# Altium PCB RTD_12POS_WPSv3.PcbDoc (part 1 of 4)
Units mm, origin at the board's own origin, x right, y up, seen from the top; angles counter-clockwise.
Board outline 122.3 x 122.04 mm, 2 copper layers (Top Layer, Bottom Layer); 327 components, 290 nets, 1265 pads, 672 vias.
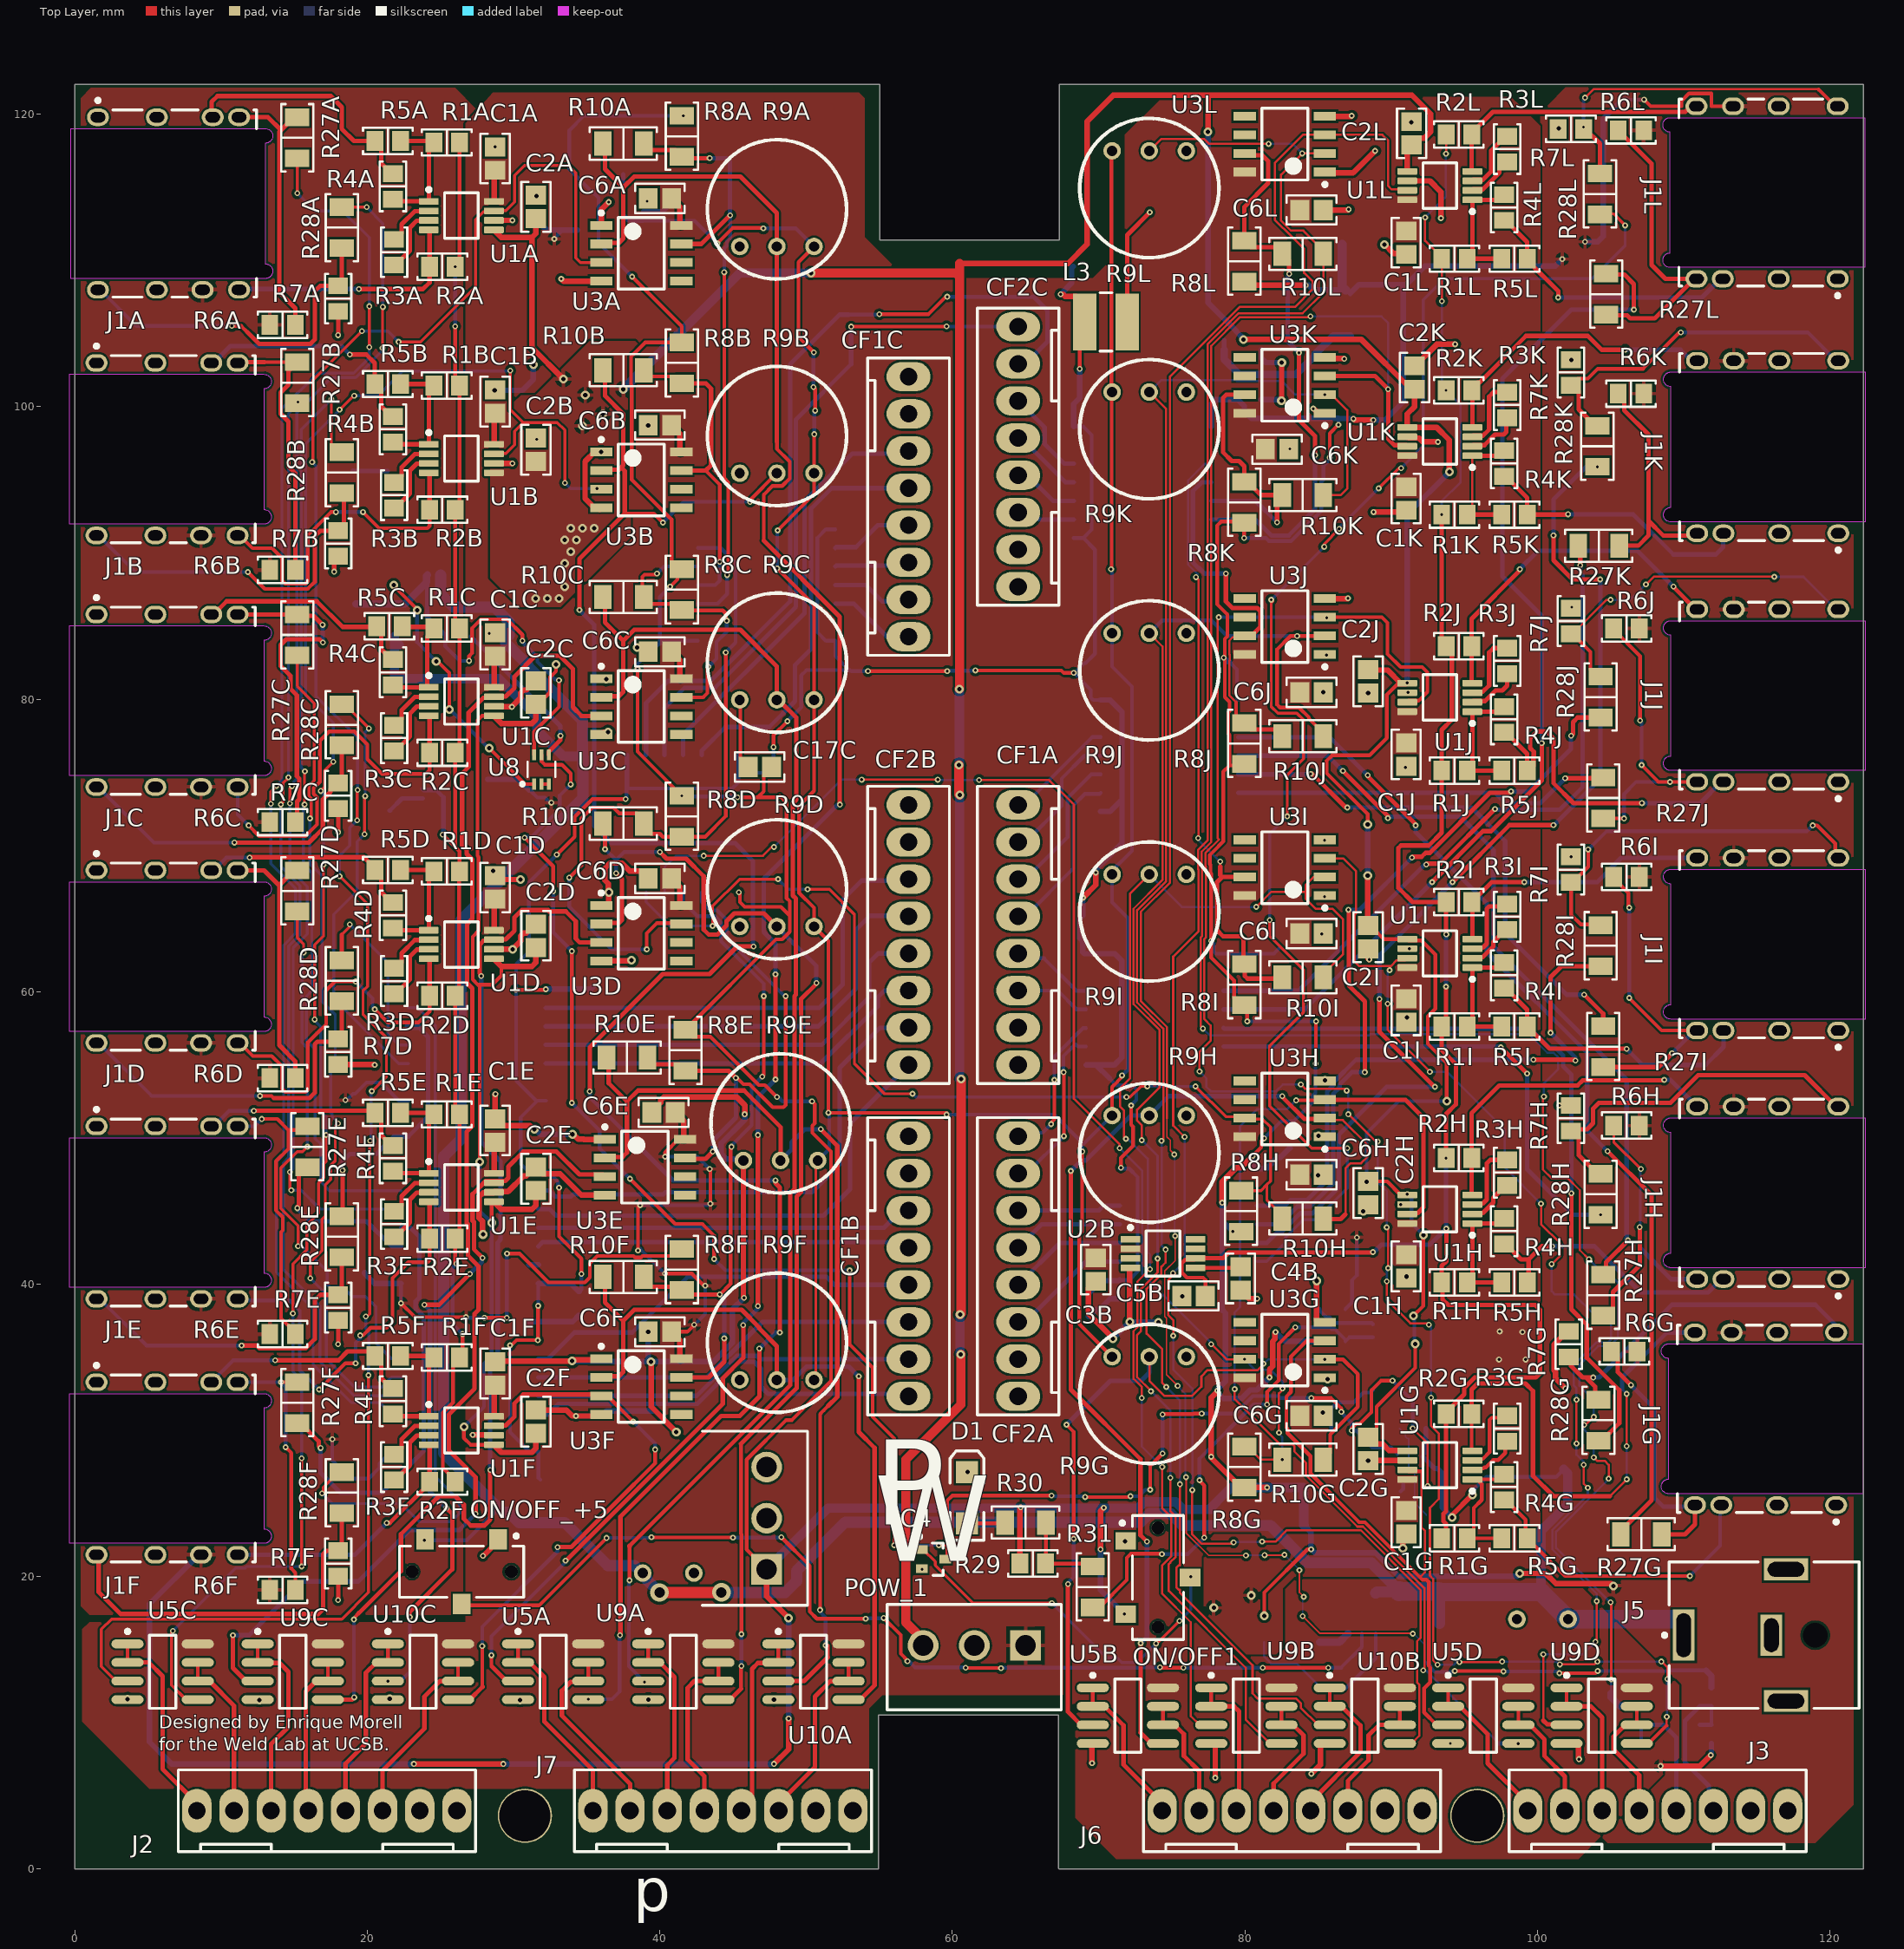
[diagram p0: Top Layer view]
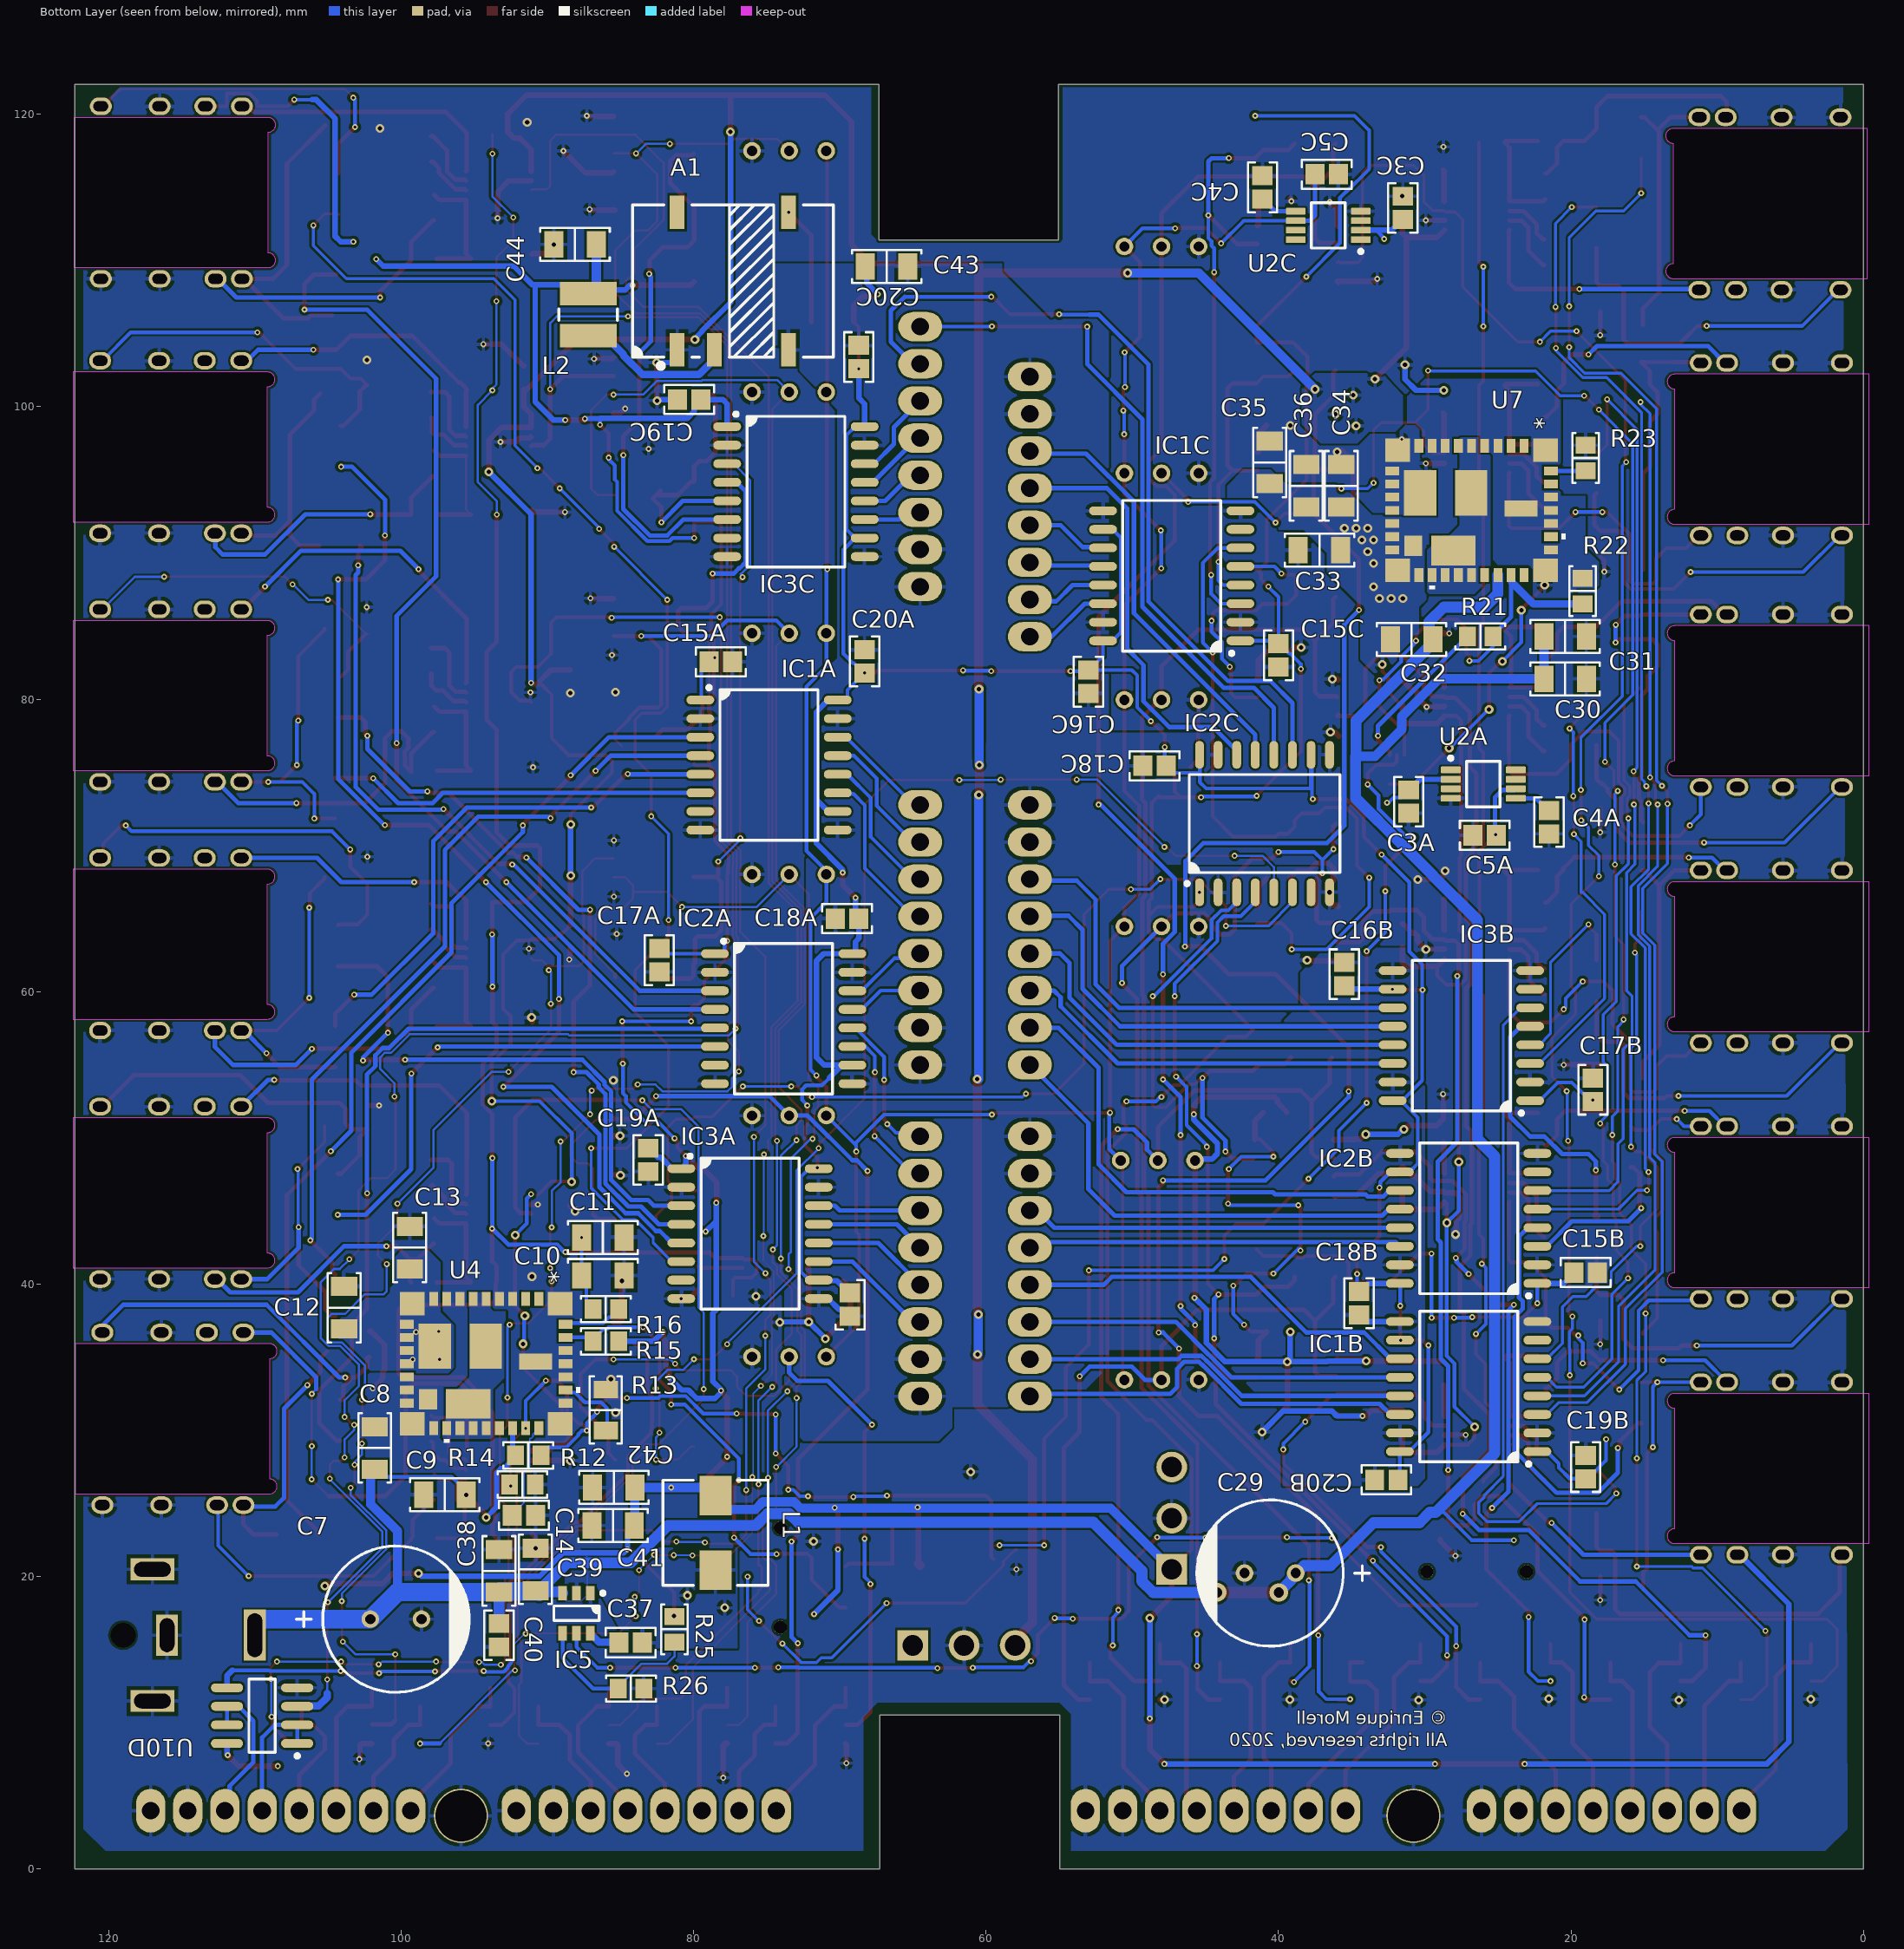
[diagram p1: Bottom Layer view, seen from below]
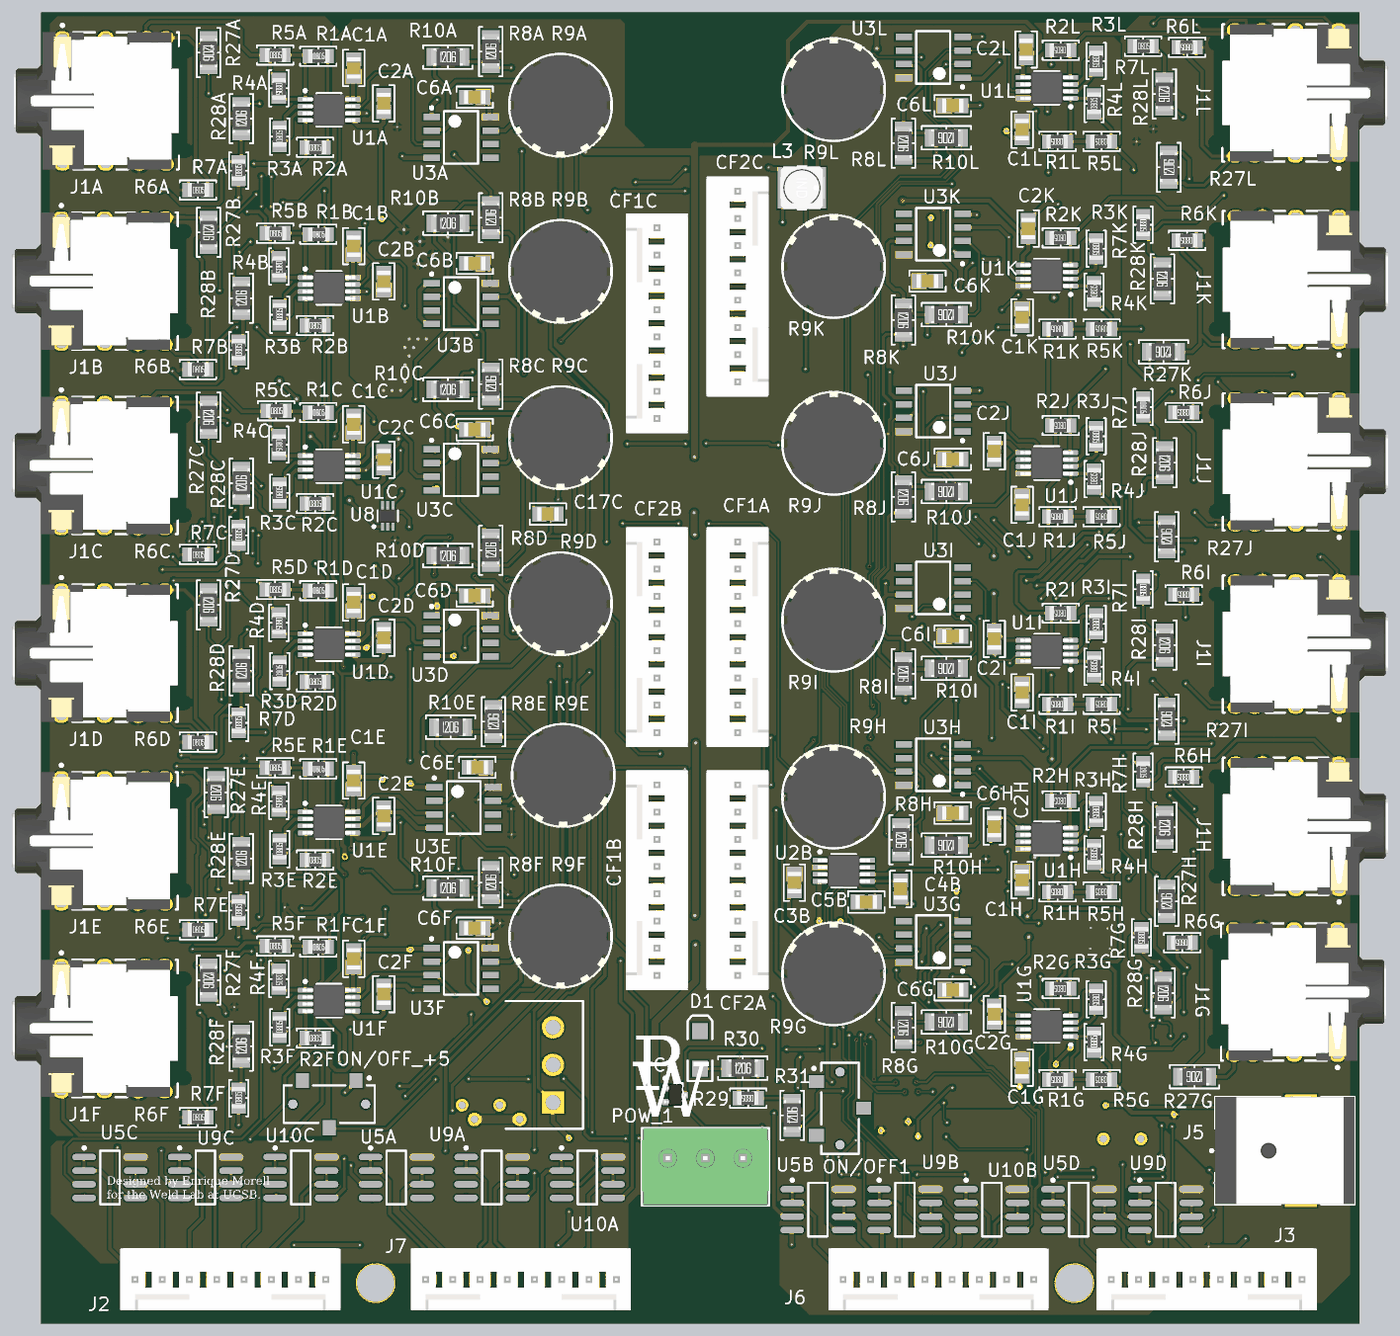
[diagram p5: 3D render of the assembled board from above, using the file's embedded part models]
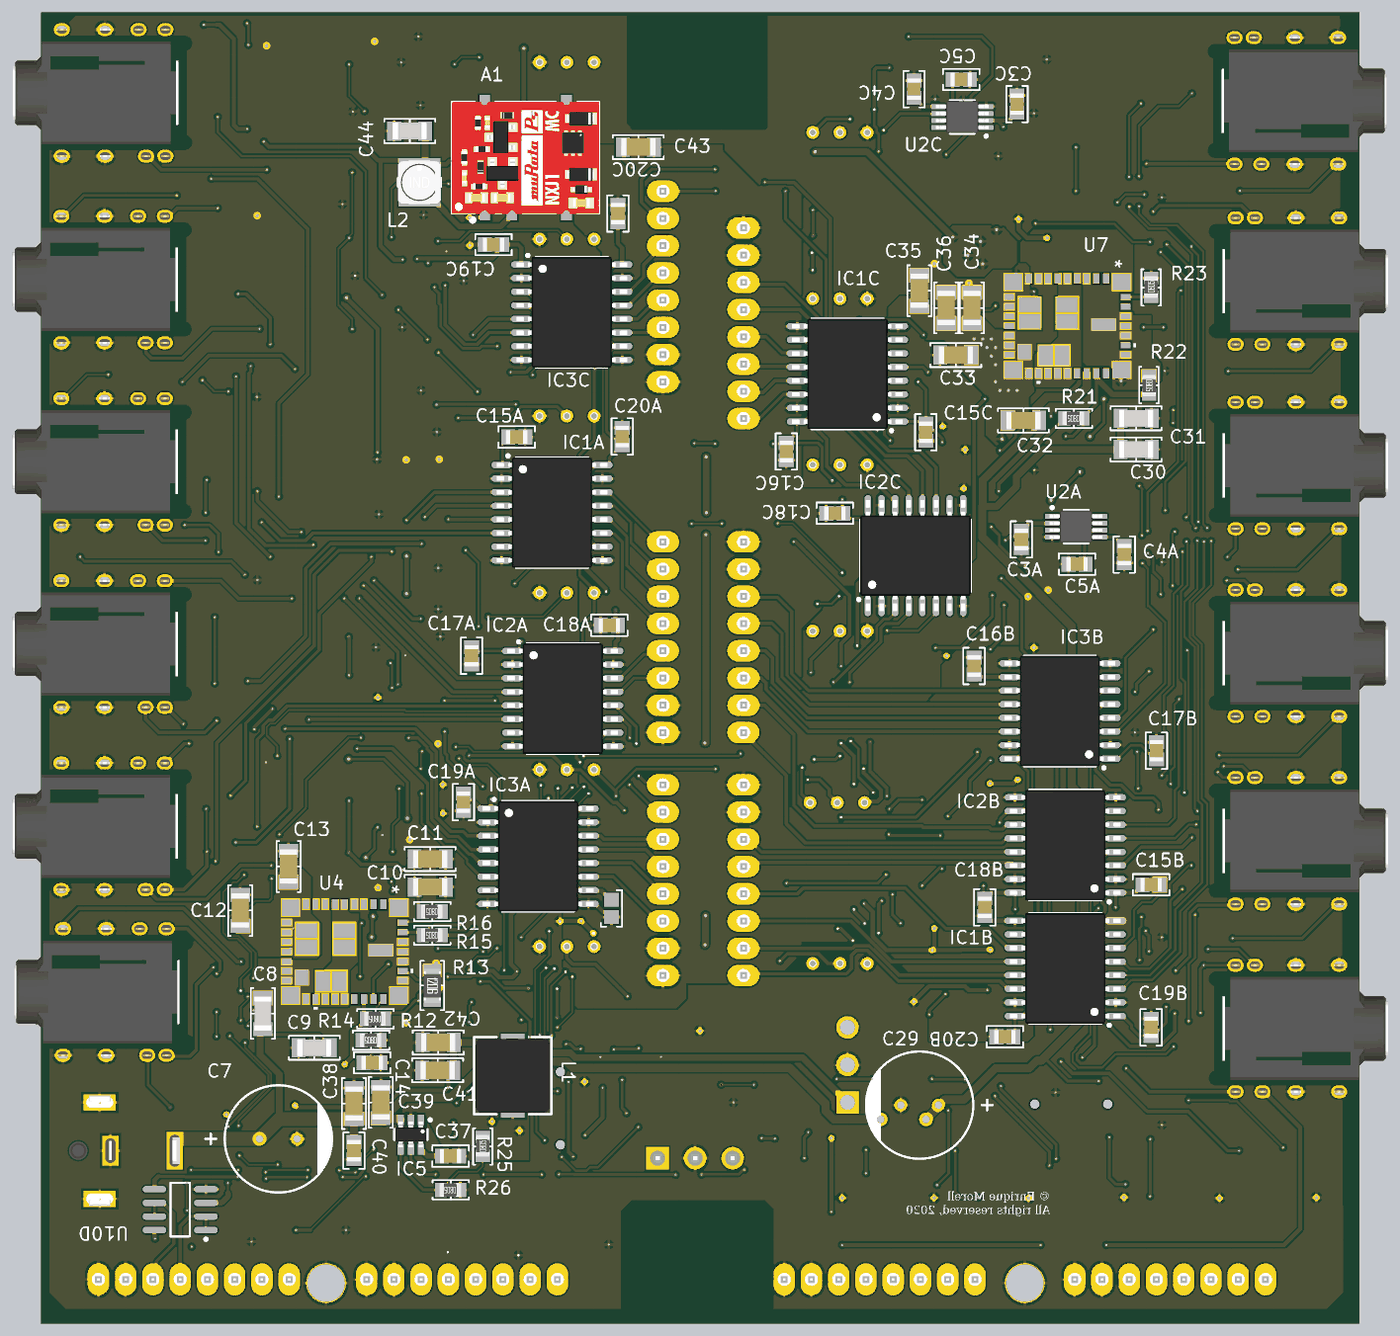
[diagram p6: 3D render of the assembled board from below, using the file's embedded part models]

## Layer stack, top to bottom
Top Solder: solder mask 0.0102, Solder Resist, Dk 3.5
Top Layer: signal copper 0.0356
Dielectric 1: dielectric 0.32, FR-4, Dk 4.8
Bottom Layer: signal copper 0.0356
Bottom Solder: solder mask 0.0102, Solder Resist, Dk 3.5

## Board outline
0,0 0,122.04 55.04,122.04 55.04,111.4 67.32,111.4 67.32,122.04 122.3,122.04 122.3,0 67.3,0 67.25,0.05 67.25,10.55 54.95,10.55 54.95,0

## Design rules (kind name [scope] priority, off if disabled: settings)
AssemblyTestPointUsage [All] p1: valid=2
AssemblyTestpoint [All] p1: testpointundercomponent=TRUE minsize=1.016 maxsize=2.54 preferedsize=1.524 minholesize=0 maxholesize=1.016 preferedholesize=0.813 testpointgrid=0.025 usegrid=FALSE gridtolerance=0 allowsidetop=TRUE allowsidebottom=TRUE
BoardOutlineClearance [All] p1: gap=0.2 ignorepadtopadclearanceinfootprint=FALSE
Clearance [All] p1: gap=0.15 ignorepadtopadclearanceinfootprint=FALSE except(0.1: Arc-Arc Arc-Track Track-Track; 0.2: Via-Via Via-Fill Via-Poly Via-Region Via-Hole)
FabricationTestPointUsage [All] p1: valid=2 allowmultiple=FALSE
FabricationTestpoint [All] p1: side=3 testpointundercomponent=TRUE minsize=1.016 maxsize=2.54 preferedsize=1.524 minholesize=0 maxholesize=1.016 preferedholesize=0.813 testpointgrid=0.025 allowsidetop=TRUE allowsidebottom=TRUE usegrid=FALSE gridtolerance=0
HoleSize [All] p1: absolutevalues=TRUE maxlimit=3.5 minlimit=0.2 maxpercent=80.000 minpercent=20.000
MinimumAnnularRing [All] p1: minimumring=0.1
MinimumSolderMaskSliver [All] p1: minsoldermaskwidth=0.1
PlaneConnect PlaneConnect_1 [All] p1: planeconnectstyle=Relief reliefexpansion=0.508 reliefentries=4 reliefconductorwidth=0.254 reliefairgap=0.254
PolygonConnect PolygonConnect_1 [All vs InNet('-12A')] p1: thpad.connectstyle=Relief thpad.reliefconductorwidth=0.254 thpad.reliefentries=4 thpad.polygonreliefangle="90 Angle" thpad.airgapwidth=0.254 smdpad.connectstyle=Direct smdpad.reliefconductorwidth=0.254 smdpad.reliefentries=4 smdpad.polygonreliefangle="90 Angle" smdpad.airgapwidth=0.254 via.connectstyle=Relief via.reliefconductorwidth=0.254 via.reliefentries=4 via.polygonreliefangle="90 Angle" via.airgapwidth=0.254
PolygonConnect PolygonConnect_5 [All vs InNet('NetU7_6')] p2: thpad.connectstyle=Relief thpad.reliefconductorwidth=0.254 thpad.reliefentries=4 thpad.polygonreliefangle="90 Angle" thpad.airgapwidth=0.254 smdpad.connectstyle=Direct smdpad.reliefconductorwidth=0.254 smdpad.reliefentries=4 smdpad.polygonreliefangle="90 Angle" smdpad.airgapwidth=0.254 via.connectstyle=Relief via.reliefconductorwidth=0.254 via.reliefentries=4 via.polygonreliefangle="90 Angle" via.airgapwidth=0.254
PolygonConnect PolygonConnect_6 [All vs InNet('+12')] p3: thpad.connectstyle=Relief thpad.reliefconductorwidth=0.254 thpad.reliefentries=4 thpad.polygonreliefangle="90 Angle" thpad.airgapwidth=0.254 smdpad.connectstyle=Direct smdpad.reliefconductorwidth=0.254 smdpad.reliefentries=4 smdpad.polygonreliefangle="90 Angle" smdpad.airgapwidth=0.254 via.connectstyle=Relief via.reliefconductorwidth=0.254 via.reliefentries=4 via.polygonreliefangle="90 Angle" via.airgapwidth=0.254
PolygonConnect PolygonConnect_8 [All vs InNet('-5')] p4: thpad.connectstyle=Relief thpad.reliefconductorwidth=0.254 thpad.reliefentries=4 thpad.polygonreliefangle="90 Angle" thpad.airgapwidth=0.254 smdpad.connectstyle=Direct smdpad.reliefconductorwidth=0.254 smdpad.reliefentries=4 smdpad.polygonreliefangle="90 Angle" smdpad.airgapwidth=0.254 via.connectstyle=Relief via.reliefconductorwidth=0.254 via.reliefentries=4 via.polygonreliefangle="90 Angle" via.airgapwidth=0.254
PolygonConnect PolygonConnect_4 [All vs InNet('-12A')] p5: thpad.connectstyle=Relief thpad.reliefconductorwidth=0.254 thpad.reliefentries=4 thpad.polygonreliefangle="90 Angle" thpad.airgapwidth=0.254 smdpad.connectstyle=Direct smdpad.reliefconductorwidth=0.254 smdpad.reliefentries=4 smdpad.polygonreliefangle="90 Angle" smdpad.airgapwidth=0.254 via.connectstyle=Relief via.reliefconductorwidth=0.254 via.reliefentries=4 via.polygonreliefangle="90 Angle" via.airgapwidth=0.254
PolygonConnect PolygonConnect_2 [All vs InNet('AGND')] p6: thpad.connectstyle=Relief thpad.reliefconductorwidth=0.254 thpad.reliefentries=4 thpad.polygonreliefangle="90 Angle" thpad.airgapwidth=0.254 smdpad.connectstyle=Direct smdpad.reliefconductorwidth=0.254 smdpad.reliefentries=4 smdpad.polygonreliefangle="90 Angle" smdpad.airgapwidth=0.254 via.connectstyle=Relief via.reliefconductorwidth=0.254 via.reliefentries=4 via.polygonreliefangle="90 Angle" via.airgapwidth=0.254
PolygonConnect PolygonConnect_3 [All vs InNet('-12')] p7: thpad.connectstyle=Relief thpad.reliefconductorwidth=0.254 thpad.reliefentries=4 thpad.polygonreliefangle="90 Angle" thpad.airgapwidth=0.254 smdpad.connectstyle=Direct smdpad.reliefconductorwidth=0.254 smdpad.reliefentries=4 smdpad.polygonreliefangle="90 Angle" smdpad.airgapwidth=0.254 via.connectstyle=Relief via.reliefconductorwidth=0.254 via.reliefentries=4 via.polygonreliefangle="90 Angle" via.airgapwidth=0.254
PolygonConnect [All] p8: connectstyle=Relief reliefconductorwidth=0.254 reliefentries=4 polygonreliefangle="90 Angle" airgapwidth=0.254
RoomDefinition U_ConnectorSchG [InComponentClass('U_ConnectorSchG')] p1: confinementstyle=ConfineIn formatcopy=FALSE lockcomponents=FALSE outline 100.75,21 125.5,21 125.5,38 100.75,38
RoomDefinition U_ComparisonSchG [InComponentClass('U_ComparisonSchG')] p2: confinementstyle=ConfineIn formatcopy=FALSE lockcomponents=FALSE outline 68,24.75 87,24.75 87,38.5 68,38.5
RoomDefinition U_RTDAnalogA [InComponentClass('U_RTDAnalogA')] p3: confinementstyle=ConfineIn formatcopy=TRUE lockcomponents=FALSE outline 19.3,108.3 32.9,108.3 32.9,119.5 19.3,119.5
RoomDefinition U_ConnectorSchL [InComponentClass('U_ConnectorSchL')] p4: confinementstyle=ConfineIn formatcopy=FALSE lockcomponents=FALSE outline 100.25,105.05 125.475,105.05 125.475,124.75 100.25,124.75
RoomDefinition U_ConnectorSchK [InComponentClass('U_ConnectorSchK')] p5: confinementstyle=ConfineIn formatcopy=FALSE lockcomponents=FALSE outline 101,89 125.6,89 125.6,104.4 101,104.4
RoomDefinition U_ConnectorSchJ [InComponentClass('U_ConnectorSchJ')] p6: confinementstyle=ConfineIn formatcopy=FALSE lockcomponents=FALSE outline 101,70.6 125.6,70.6 125.6,87.4 101,87.4
RoomDefinition U_ConnectorSchI [InComponentClass('U_ConnectorSchI')] p7: confinementstyle=ConfineIn formatcopy=FALSE lockcomponents=FALSE outline 101,53.5 125.75,53.5 125.75,70.5 101,70.5
RoomDefinition U_ConnectorSchH [InComponentClass('U_ConnectorSchH')] p8: confinementstyle=ConfineIn formatcopy=FALSE lockcomponents=FALSE outline 101,36.5 125.75,36.5 125.75,53.5 101,53.5
RoomDefinition U_ConnectorSchF [InComponentClass('U_ConnectorSchF')] p9: confinementstyle=ConfineIn formatcopy=FALSE lockcomponents=FALSE outline -3.5,17.75 19.25,17.75 19.25,35 -3.5,35
RoomDefinition U_ConnectorSchE [InComponentClass('U_ConnectorSchE')] p10: confinementstyle=ConfineIn formatcopy=TRUE lockcomponents=FALSE outline -3.5,35.25 19.25,35.25 19.25,52.5 -3.5,52.5
RoomDefinition U_ConnectorSchD [InComponentClass('U_ConnectorSchD')] p11: confinementstyle=ConfineIn formatcopy=TRUE lockcomponents=FALSE outline -3.5,52.75 19.25,52.75 19.25,70 -3.5,70
RoomDefinition U_ConnectorSchC [InComponentClass('U_ConnectorSchC')] p12: confinementstyle=ConfineIn formatcopy=TRUE lockcomponents=FALSE outline -3.5,70.25 19.25,70.25 19.25,87.5 -3.5,87.5
RoomDefinition U_ConnectorSchB [InComponentClass('U_ConnectorSchB')] p13: confinementstyle=ConfineIn formatcopy=TRUE lockcomponents=FALSE outline -3.5,87.5 19.25,87.5 19.25,104.75 -3.5,104.75
RoomDefinition U_ConnectorSchA [InComponentClass('U_ConnectorSchA')] p14: confinementstyle=ConfineIn formatcopy=TRUE lockcomponents=FALSE outline -3.4,104.3 19.7,104.3 19.7,121.5 -3.4,121.5
RoomDefinition U_ComparisonSchA [InComponentClass('U_ComparisonSchA')] p15: confinementstyle=ConfineIn formatcopy=TRUE lockcomponents=FALSE outline 34.8,107.6 53.7,107.6 53.7,121.2 34.8,121.2
RoomDefinition U_VrefSchC [InComponentClass('U_VrefSchC')] p16: confinementstyle=ConfineIn formatcopy=TRUE lockcomponents=FALSE outline 30.1,117.3 42.5,117.3 42.5,110.1 30.1,110.1
RoomDefinition U_BufferOutR [InComponentClass('U_BufferOutR')] p17: confinementstyle=ConfineIn formatcopy=TRUE lockcomponents=FALSE outline 58.471,39.971 58.471,107.259 66.529,107.259 66.529,39.971
RoomDefinition U_BufferOutMonR [InComponentClass('U_BufferOutMonR')] p18: confinementstyle=ConfineIn formatcopy=TRUE lockcomponents=FALSE outline 92.2,7.2 113.6,7.2 113.6,13.8 92.2,13.8
RoomDefinition U_BufferOutMonL [InComponentClass('U_BufferOutMonL')] p19: confinementstyle=ConfineIn formatcopy=TRUE lockcomponents=FALSE outline 1.9,10.4 27.9,10.4 27.9,16.8 1.9,16.8
RoomDefinition U_BufferOutL [InComponentClass('U_BufferOutL')] p20: confinementstyle=ConfineIn formatcopy=TRUE lockcomponents=FALSE outline 28.6,10.4 54.6,10.4 54.6,16.8 28.6,16.8
RoomDefinition MainSch [InComponentClass('MainSch')] p21: confinementstyle=ConfineIn formatcopy=TRUE lockcomponents=FALSE outline 33,0 90,0 90,8 33,8
RoomDefinition U_VrefSchA [InComponentClass('U_VrefSchA')] p22: confinementstyle=ConfineIn formatcopy=TRUE lockcomponents=FALSE outline 20.1,69.3 32.5,69.3 32.5,76.5 20.1,76.5
RoomDefinition U_VrefSchB [InComponentClass('U_VrefSchB')] p23: confinementstyle=ConfineIn formatcopy=TRUE lockcomponents=FALSE outline 68.4,37.8 81.1,37.8 81.1,44.4 68.4,44.4
RoomDefinition U_VccConnSch [InComponentClass('U_VccConnSch')] p24: confinementstyle=ConfineIn formatcopy=TRUE lockcomponents=FALSE outline 108.196,10.371 108.196,21.629 122.379,21.629 122.379,10.371
RoomDefinition U_RTDAnalogL [InComponentClass('U_RTDAnalogL')] p25: confinementstyle=ConfineIn formatcopy=FALSE lockcomponents=FALSE outline 89.7,108.8 100.5,108.8 100.5,120.8 89.7,120.8
RoomDefinition U_RTDAnalogK [InComponentClass('U_RTDAnalogK')] p26: confinementstyle=ConfineIn formatcopy=FALSE lockcomponents=FALSE outline 89.7,91.375 100.475,91.375 100.475,104.05 89.7,104.05
RoomDefinition U_RTDAnalogJ [InComponentClass('U_RTDAnalogJ')] p27: confinementstyle=ConfineIn formatcopy=FALSE lockcomponents=FALSE outline 87.1,73.875 100.475,73.875 100.475,84.875 87.1,84.875
RoomDefinition U_RTDAnalogI [InComponentClass('U_RTDAnalogI')] p28: confinementstyle=ConfineIn formatcopy=FALSE lockcomponents=FALSE outline 86.83,56.328 100.53,56.328 100.53,67.428 86.83,67.428
RoomDefinition U_RTDAnalogH [InComponentClass('U_RTDAnalogH')] p29: confinementstyle=ConfineIn formatcopy=FALSE lockcomponents=FALSE outline 87.1,38.8 100.5,38.8 100.5,49.9 87.1,49.9
RoomDefinition U_RTDAnalogF [InComponentClass('U_RTDAnalogF')] p30: confinementstyle=ConfineIn formatcopy=FALSE lockcomponents=FALSE outline 19,25.175 32.75,25.175 32.75,36.425 19,36.425
RoomDefinition U_RTDAnalogE [InComponentClass('U_RTDAnalogE')] p31: confinementstyle=ConfineIn formatcopy=TRUE lockcomponents=FALSE outline 19,41.79 32.75,41.79 32.75,53.04 19,53.04
RoomDefinition U_RTDAnalogD [InComponentClass('U_RTDAnalogD')] p32: confinementstyle=ConfineIn formatcopy=TRUE lockcomponents=FALSE outline 19.3,58.5 32.9,58.5 32.9,69.6 19.3,69.6
RoomDefinition U_RTDAnalogC [InComponentClass('U_RTDAnalogC')] p33: confinementstyle=ConfineIn formatcopy=TRUE lockcomponents=FALSE outline 19.4,75.1 32.9,75.1 32.9,86.3 19.4,86.3
RoomDefinition U_RTDAnalogB [InComponentClass('U_RTDAnalogB')] p34: confinementstyle=ConfineIn formatcopy=TRUE lockcomponents=FALSE outline 19,91.635 32.75,91.635 32.75,102.885 19,102.885
RoomDefinition U_RTDAnalogG [InComponentClass('U_RTDAnalogG')] p35: confinementstyle=ConfineIn formatcopy=FALSE lockcomponents=FALSE outline 86.83,21.33 100.53,21.33 100.53,32.43 86.83,32.43
RoomDefinition U_PowerIsolation [InComponentClass('U_PowerIsolation')] p36: confinementstyle=ConfineIn formatcopy=TRUE lockcomponents=FALSE outline 64,101.7 90.9,101.7 90.9,115.5 64,115.5
RoomDefinition U_PowerDelivery [InComponentClass('U_PowerDelivery')] p37: confinementstyle=ConfineIn formatcopy=TRUE lockcomponents=FALSE outline 21.8,10.4 77.4,10.4 77.4,30.5 21.8,30.5
RoomDefinition U_Neg12V [InComponentClass('U_Neg12V')] p38: confinementstyle=ConfineIn formatcopy=TRUE lockcomponents=FALSE outline 16.2,73.5 42.1,73.5 42.1,99.7 16.2,99.7